# KiCad board rabbit_mask_capacitors.kicad_pcb (continued)
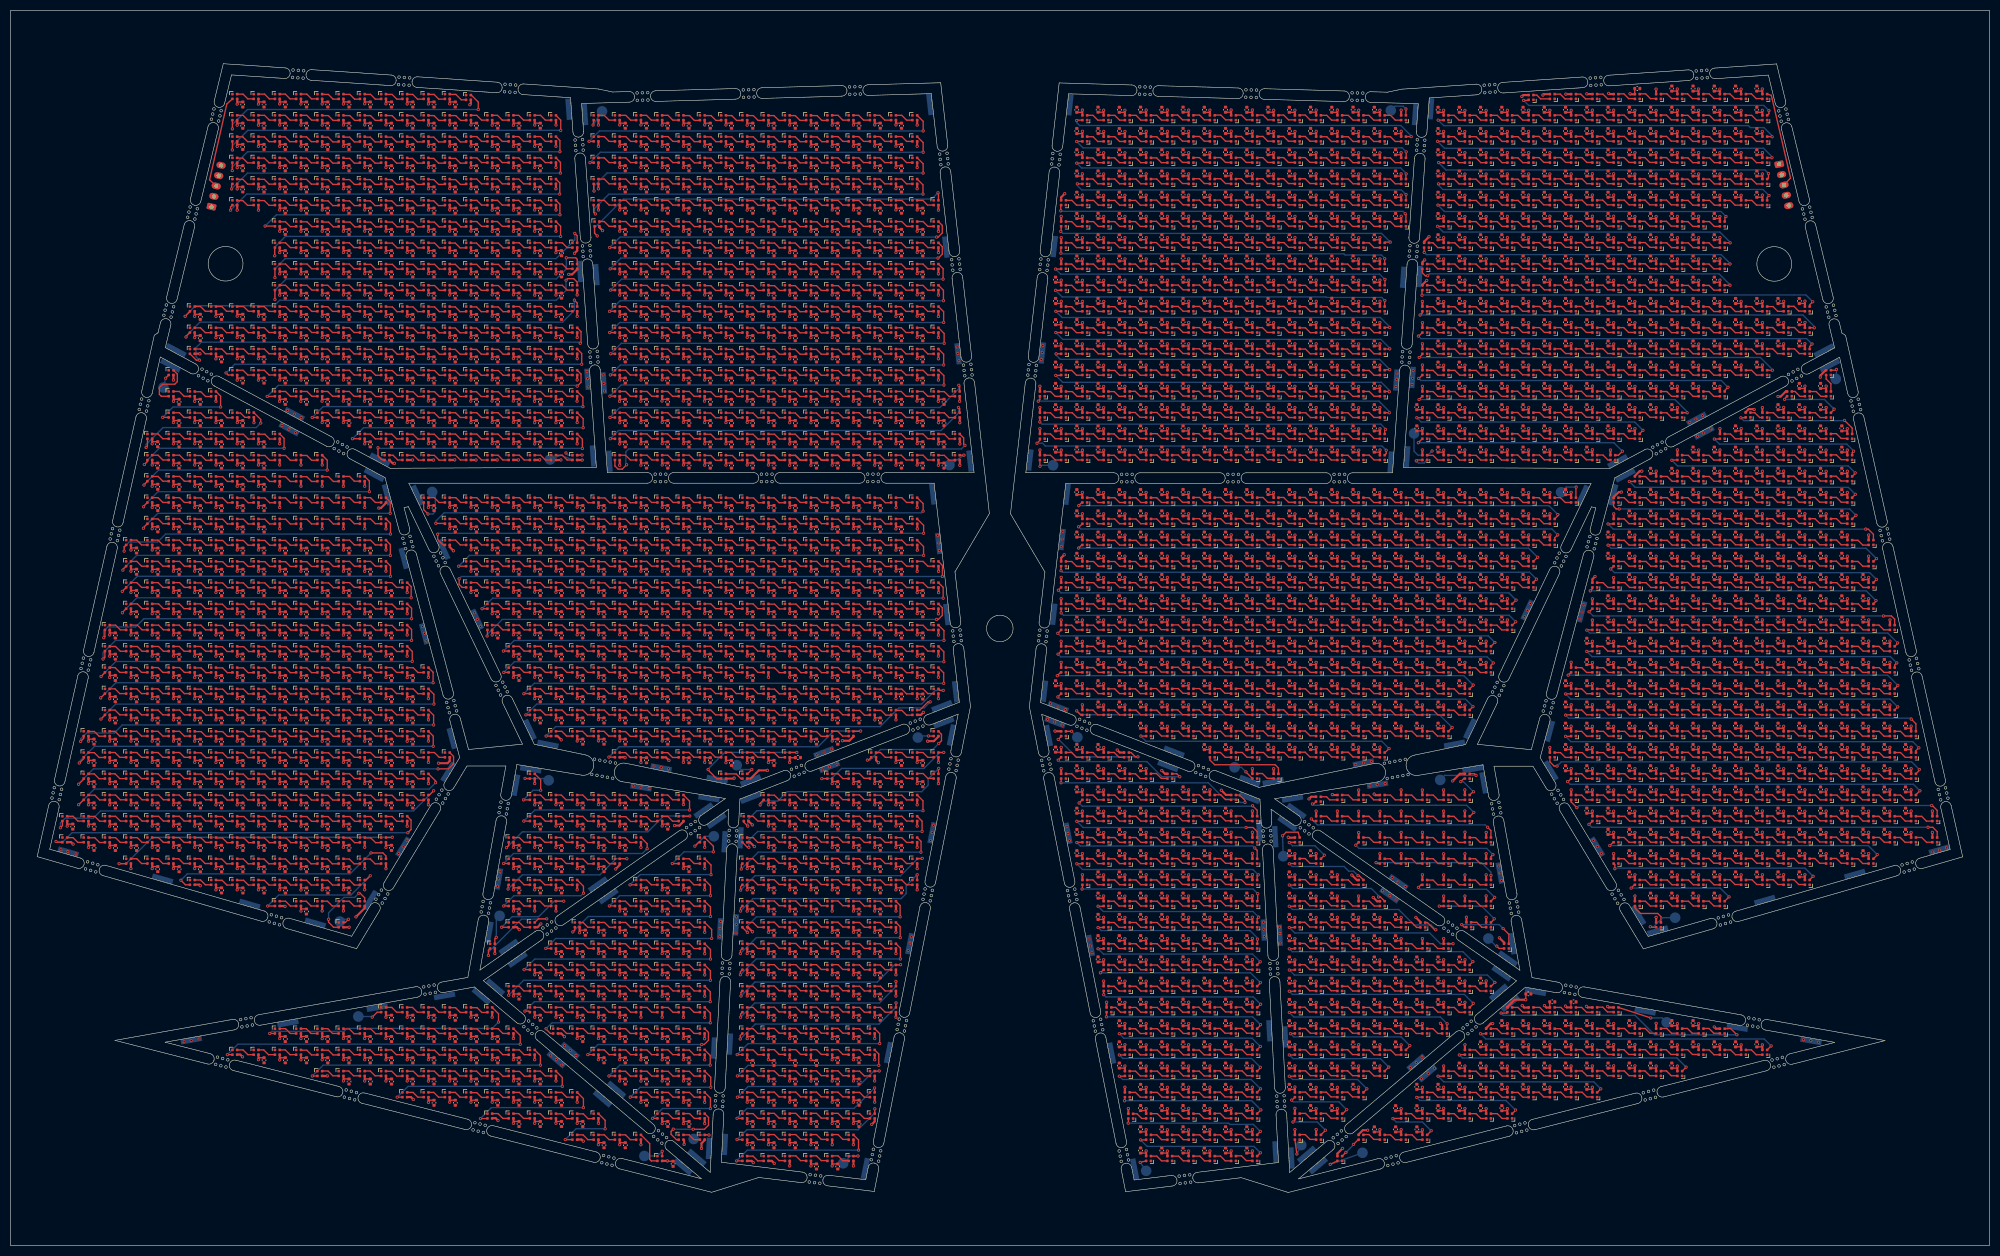
[diagram p0: board, top side]
## Nets (continued)
Net-(D2655-DIN): D2655.1 D2656.3
Net-(D2656-DIN): D2656.1 D2657.3
Net-(D2657-DIN): D2657.1 D2658.3
Net-(D2658-DIN): D2658.1 D2659.3
Net-(D2659-DIN): D2659.1 D2660.3
Net-(D2660-DIN): D2660.1 D2661.3
Net-(D2661-DIN): D2661.1 D2662.3
Net-(D2662-DIN): D2662.1 D2663.3
Net-(D2663-DIN): D2663.1 D2664.3
Net-(D2665-DIN): D2665.1 D2666.3
Net-(D2665-DOUT): D2665.3 D2703.1
Net-(D2666-DIN): D2666.1 D2667.3
Net-(D2667-DIN): D2667.1 D2668.3
Net-(D2668-DIN): D2668.1 D2669.3
Net-(D2669-DIN): D2669.1 D2670.3
Net-(D2670-DIN): D2670.1 D2671.3
Net-(D2671-DIN): D2671.1 D2672.3
Net-(D2672-DIN): D2672.1 D2673.3
Net-(D2674-DIN): D2674.1 D2675.3
Net-(D2674-DOUT): D2674.3 D2707.1
Net-(D2676-DIN): D2676.1 D2677.3
Net-(D2676-DOUT): D2676.3 D2711.1
Net-(D2677-DIN): D2677.1 D2678.3
Net-(D2678-DIN): D2678.1 D2679.3
Net-(D2679-DIN): D2679.1 D2680.3
Net-(D2680-DIN): D2680.1 D2681.3
Net-(D2682-DIN): D2682.1 D2683.3
Net-(D2682-DOUT): D2682.3 D2720.1
Net-(D2683-DIN): D2683.1 D2684.3
Net-(D2684-DIN): D2684.1 D2685.3
Net-(D2685-DIN): D2685.1 D2686.3
Net-(D2686-DIN): D2686.1 D2687.3
Net-(D2687-DIN): D2687.1 D2688.3
Net-(D2688-DIN): D2688.1 D2689.3
Net-(D2689-DIN): D2689.1 D2690.3
Net-(D2690-DIN): D2690.1 D2691.3
Net-(D2691-DIN): D2691.1 D2692.3
Net-(D2692-DIN): D2692.1 D2693.3
Net-(D2693-DIN): D2693.1 D2694.3
Net-(D2695-DIN): D2695.1 D2696.3
Net-(D2695-DOUT): D2695.3 D2728.1
Net-(D2696-DIN): D2696.1 D2697.3
Net-(D2697-DIN): D2697.1 D2698.3
Net-(D2698-DIN): D2698.1 D2699.3
Net-(D2699-DIN): D2699.1 D2700.3
Net-(D2700-DIN): D2700.1 D2701.3
Net-(D2701-DIN): D2701.1 D2702.3
Net-(D2702-DIN): D2702.1 D2703.3
Net-(D2704-DIN): D2704.1 D2705.3
Net-(D2704-DOUT): D2704.3 D2733.1
Net-(D2705-DIN): D2705.1 D2706.3
Net-(D2706-DIN): D2706.1 D2707.3
Net-(D2708-DIN): D2708.1 D2709.3
Net-(D2708-DOUT): D2708.3 D2736.1
Net-(D2709-DIN): D2709.1 D2710.3
Net-(D2710-DIN): D2710.1 D2711.3
Net-(D2712-DIN): D2712.1 D2713.3
Net-(D2712-DOUT): D2712.3 D2741.1
Net-(D2713-DIN): D2713.1 D2714.3
Net-(D2714-DIN): D2714.1 D2715.3
Net-(D2715-DIN): D2715.1 D2716.3
Net-(D2716-DIN): D2716.1 D2717.3
Net-(D2717-DIN): D2717.1 D2718.3
Net-(D2718-DIN): D2718.1 D2719.3
Net-(D2719-DIN): D2719.1 D2720.3
Net-(D2721-DIN): D2721.1 D2722.3
Net-(D2721-DOUT): D2721.3 D2749.1
Net-(D2722-DIN): D2722.1 D2723.3
Net-(D2723-DIN): D2723.1 D2724.3
Net-(D2724-DIN): D2724.1 D2725.3
Net-(D2725-DIN): D2725.1 D2726.3
Net-(D2726-DIN): D2726.1 D2727.3
Net-(D2727-DIN): D2727.1 D2728.3
Net-(D2729-DIN): D2729.1 D2730.3
Net-(D2729-DOUT): D2729.3 D2756.1
Net-(D2730-DIN): D2730.1 D2731.3
Net-(D2731-DIN): D2731.1 D2732.3
Net-(D2732-DIN): D2732.1 D2733.3
Net-(D2734-DIN): D2734.1 D2735.3
Net-(D2734-DOUT): D2734.3 D2758.1
Net-(D2735-DIN): D2735.1 D2736.3
Net-(D2737-DIN): D2737.1 D2738.3
Net-(D2737-DOUT): D2737.3 D2759.1
Net-(D2738-DIN): D2738.1 D2739.3
Net-(D2739-DIN): D2739.1 D2740.3
Net-(D2740-DIN): D2740.1 D2741.3
Net-(D2742-DIN): D2742.1 D2743.3
Net-(D2742-DOUT): D2742.3 D2767.1
Net-(D2743-DIN): D2743.1 D2744.3
Net-(D2744-DIN): D2744.1 D2745.3
Net-(D2745-DIN): D2745.1 D2746.3
Net-(D2746-DIN): D2746.1 D2747.3
Net-(D2747-DIN): D2747.1 D2748.3
Net-(D2748-DIN): D2748.1 D2749.3
Net-(D2750-DIN): D2750.1 D2751.3
Net-(D2750-DOUT): D2750.3 D2775.1
Net-(D2751-DIN): D2751.1 D2752.3
Net-(D2752-DIN): D2752.1 D2753.3
Net-(D2753-DIN): D2753.1 D2754.3
Net-(D2754-DIN): D2754.1 D2755.3
Net-(D2755-DIN): D2755.1 D2756.3
Net-(D2757-DIN): D2757.1 D2758.3
Net-(D2757-DOUT): D2757.3 D2776.1
Net-(D2760-DIN): D2760.1 D2761.3
Net-(D2760-DOUT): D2760.3 D2784.1
Net-(D2761-DIN): D2761.1 D2762.3
Net-(D2762-DIN): D2762.1 D2763.3
Net-(D2763-DIN): D2763.1 D2764.3
Net-(D2764-DIN): D2764.1 D2765.3
Net-(D2765-DIN): D2765.1 D2766.3
Net-(D2766-DIN): D2766.1 D2767.3
Net-(D2768-DIN): D2768.1 D2769.3
Net-(D2768-DOUT): D2768.3 D2793.1
Net-(D2769-DIN): D2769.1 D2770.3
Net-(D2770-DIN): D2770.1 D2771.3
Net-(D2771-DIN): D2771.1 D2772.3
Net-(D2772-DIN): D2772.1 D2773.3
Net-(D2773-DIN): D2773.1 D2774.3
Net-(D2774-DIN): D2774.1 D2775.3
Net-(D2777-DIN): D2777.1 D2778.3
Net-(D2777-DOUT): D2777.3 D2801.1
Net-(D2778-DIN): D2778.1 D2779.3
Net-(D2779-DIN): D2779.1 D2780.3
Net-(D2780-DIN): D2780.1 D2781.3
Net-(D2781-DIN): D2781.1 D2782.3
Net-(D2782-DIN): D2782.1 D2783.3
Net-(D2783-DIN): D2783.1 D2784.3
Net-(D2785-DIN): D2785.1 D2786.3
Net-(D2785-DOUT): D2785.3 D2811.1
Net-(D2786-DIN): D2786.1 D2787.3
Net-(D2787-DIN): D2787.1 D2788.3
Net-(D2788-DIN): D2788.1 D2789.3
Net-(D2789-DIN): D2789.1 D2790.3
Net-(D2790-DIN): D2790.1 D2791.3
Net-(D2791-DIN): D2791.1 D2792.3
Net-(D2792-DIN): D2792.1 D2793.3
Net-(D2794-DIN): D2794.1 D2795.3
Net-(D2794-DOUT): D2794.3 D2819.1
Net-(D2795-DIN): D2795.1 D2796.3
Net-(D2796-DIN): D2796.1 D2797.3
Net-(D2797-DIN): D2797.1 D2798.3
Net-(D2798-DIN): D2798.1 D2799.3
Net-(D2799-DIN): D2799.1 D2800.3
Net-(D2800-DIN): D2800.1 D2801.3
Net-(D2802-DIN): D2802.1 D2803.3
Net-(D2802-DOUT): D2802.3 D2828.1
Net-(D2803-DIN): D2803.1 D2804.3
Net-(D2804-DIN): D2804.1 D2805.3
Net-(D2805-DIN): D2805.1 D2806.3
Net-(D2806-DIN): D2806.1 D2807.3
Net-(D2807-DIN): D2807.1 D2808.3
Net-(D2808-DIN): D2808.1 D2809.3
Net-(D2809-DIN): D2809.1 D2810.3
Net-(D2810-DIN): D2810.1 D2811.3
Net-(D2812-DIN): D2812.1 D2813.3
Net-(D2812-DOUT): D2812.3 D2841.1
Net-(D2813-DIN): D2813.1 D2814.3
Net-(D2814-DIN): D2814.1 D2815.3
Net-(D2815-DIN): D2815.1 D2816.3
Net-(D2816-DIN): D2816.1 D2817.3
Net-(D2817-DIN): D2817.1 D2818.3
Net-(D2818-DIN): D2818.1 D2819.3
Net-(D2820-DIN): D2820.1 D2821.3
Net-(D2820-DOUT): D2820.3 D2849.1
Net-(D2821-DIN): D2821.1 D2822.3
Net-(D2822-DIN): D2822.1 D2823.3
Net-(D2823-DIN): D2823.1 D2824.3
Net-(D2824-DIN): D2824.1 D2825.3
Net-(D2825-DIN): D2825.1 D2826.3
Net-(D2826-DIN): D2826.1 D2827.3
Net-(D2827-DIN): D2827.1 D2828.3
Net-(D2829-DIN): D2829.1 D2830.3
Net-(D2829-DOUT): D2829.3 D2861.1
Net-(D2830-DIN): D2830.1 D2831.3
Net-(D2831-DIN): D2831.1 D2832.3
Net-(D2832-DIN): D2832.1 D2833.3
Net-(D2833-DIN): D2833.1 D2834.3
Net-(D2835-DIN): D2835.1 D2836.3
Net-(D2835-DOUT): D2835.3 D2868.1
Net-(D2836-DIN): D2836.1 D2837.3
Net-(D2837-DIN): D2837.1 D2838.3
Net-(D2838-DIN): D2838.1 D2839.3
Net-(D2839-DIN): D2839.1 D2840.3
Net-(D2840-DIN): D2840.1 D2841.3
Net-(D2842-DIN): D2842.1 D2843.3
Net-(D2842-DOUT): D2842.3 D2874.1
Net-(D2843-DIN): D2843.1 D2844.3
Net-(D2844-DIN): D2844.1 D2845.3
Net-(D2845-DIN): D2845.1 D2846.3
Net-(D2846-DIN): D2846.1 D2847.3
Net-(D2847-DIN): D2847.1 D2848.3
Net-(D2848-DIN): D2848.1 D2849.3
Net-(D2850-DIN): D2850.1 D2851.3
Net-(D2850-DOUT): D2850.3 D2889.1
Net-(D2851-DIN): D2851.1 D2852.3
Net-(D2852-DIN): D2852.1 D2853.3
Net-(D2853-DIN): D2853.1 D2854.3
Net-(D2854-DIN): D2854.1 D2855.3
Net-(D2855-DIN): D2855.1 D2856.3
Net-(D2856-DIN): D2856.1 D2857.3
Net-(D2857-DIN): D2857.1 D2858.3
Net-(D2858-DIN): D2858.1 D2859.3
Net-(D2859-DIN): D2859.1 D2860.3
Net-(D2860-DIN): D2860.1 D2861.3
Net-(D2862-DIN): D2862.1 D2863.3
Net-(D2862-DOUT): D2862.3 D2896.1
Net-(D2863-DIN): D2863.1 D2864.3
Net-(D2864-DIN): D2864.1 D2865.3
Net-(D2865-DIN): D2865.1 D2866.3
Net-(D2866-DIN): D2866.1 D2867.3
Net-(D2867-DIN): D2867.1 D2868.3
Net-(D2869-DIN): D2869.1 D2870.3
Net-(D2869-DOUT): D2869.3 D2901.1
Net-(D2870-DIN): D2870.1 D2871.3
Net-(D2871-DIN): D2871.1 D2872.3
Net-(D2872-DIN): D2872.1 D2873.3
Net-(D2873-DIN): D2873.1 D2874.3
Net-(D2875-DIN): D2875.1 D2876.3
Net-(D2875-DOUT): D2875.3 D2913.1
Net-(D2876-DIN): D2876.1 D2877.3
Net-(D2877-DIN): D2877.1 D2878.3
Net-(D2878-DIN): D2878.1 D2879.3
Net-(D2879-DIN): D2879.1 D2880.3
Net-(D2880-DIN): D2880.1 D2881.3
Net-(D2881-DIN): D2881.1 D2882.3
Net-(D2882-DIN): D2882.1 D2883.3
Net-(D2883-DIN): D2883.1 D2884.3
Net-(D2884-DIN): D2884.1 D2885.3
Net-(D2885-DIN): D2885.1 D2886.3
Net-(D2886-DIN): D2886.1 D2887.3
Net-(D2887-DIN): D2887.1 D2888.3
Net-(D2888-DIN): D2888.1 D2889.3
Net-(D2890-DIN): D2890.1 D2891.3
Net-(D2890-DOUT): D2890.3 D2920.1
Net-(D2891-DIN): D2891.1 D2892.3
Net-(D2892-DIN): D2892.1 D2893.3
Net-(D2893-DIN): D2893.1 D2894.3
Net-(D2894-DIN): D2894.1 D2895.3
Net-(D2895-DIN): D2895.1 D2896.3
Net-(D2897-DIN): D2897.1 D2898.3
Net-(D2897-DOUT): D2897.3 D2924.1
Net-(D2898-DIN): D2898.1 D2899.3
Net-(D2899-DIN): D2899.1 D2900.3
Net-(D2900-DIN): D2900.1 D2901.3
Net-(D2902-DIN): D2902.1 D2903.3
Net-(D2902-DOUT): D2902.3 D2933.1
Net-(D2903-DIN): D2903.1 D2904.3
Net-(D2904-DIN): D2904.1 D2905.3
Net-(D2905-DIN): D2905.1 D2906.3
Net-(D2906-DIN): D2906.1 D2907.3
Net-(D2907-DIN): D2907.1 D2908.3
Net-(D2908-DIN): D2908.1 D2909.3
Net-(D2909-DIN): D2909.1 D2910.3
Net-(D2910-DIN): D2910.1 D2911.3
Net-(D2911-DIN): D2911.1 D2912.3
Net-(D2912-DIN): D2912.1 D2913.3
Net-(D2914-DIN): D2914.1 D2915.3
Net-(D2914-DOUT): D2914.3 D2940.1
Net-(D2915-DIN): D2915.1 D2916.3
Net-(D2916-DIN): D2916.1 D2917.3
Net-(D2917-DIN): D2917.1 D2918.3
Net-(D2918-DIN): D2918.1 D2919.3
Net-(D2919-DIN): D2919.1 D2920.3
Net-(D2921-DIN): D2921.1 D2922.3
Net-(D2921-DOUT): D2921.3 D2943.1
Net-(D2922-DIN): D2922.1 D2923.3
Net-(D2923-DIN): D2923.1 D2924.3
Net-(D2925-DIN): D2925.1 D2926.3
Net-(D2925-DOUT): D2925.3 D2949.1
Net-(D2926-DIN): D2926.1 D2927.3
Net-(D2927-DIN): D2927.1 D2928.3
Net-(D2928-DIN): D2928.1 D2929.3
Net-(D2929-DIN): D2929.1 D2930.3
Net-(D2930-DIN): D2930.1 D2931.3
Net-(D2931-DIN): D2931.1 D2932.3
Net-(D2932-DIN): D2932.1 D2933.3
Net-(D2934-DIN): D2934.1 D2935.3
Net-(D2934-DOUT): D2934.3 D2955.1
Net-(D2935-DIN): D2935.1 D2936.3
Net-(D2936-DIN): D2936.1 D2937.3
Net-(D2937-DIN): D2937.1 D2938.3
Net-(D2938-DIN): D2938.1 D2939.3
Net-(D2939-DIN): D2939.1 D2940.3
Net-(D2941-DIN): D2941.1 D2942.3
Net-(D2941-DOUT): D2941.3 D2957.1
Net-(D2942-DIN): D2942.1 D2943.3
Net-(D2944-DIN): D2944.1 D2945.3
Net-(D2944-DOUT): D2944.3 D2961.1
Net-(D2945-DIN): D2945.1 D2946.3
Net-(D2946-DIN): D2946.1 D2947.3
Net-(D2947-DIN): D2947.1 D2948.3
Net-(D2948-DIN): D2948.1 D2949.3
Net-(D2950-DIN): D2950.1 D2951.3
Net-(D2950-DOUT): D2950.3 D2967.1
Net-(D2951-DIN): D2951.1 D2952.3
Net-(D2952-DIN): D2952.1 D2953.3
Net-(D2953-DIN): D2953.1 D2954.3
Net-(D2954-DIN): D2954.1 D2955.3
Net-(D2956-DIN): D2956.1 D2957.3
Net-(D2958-DIN): D2958.1 D2959.3
Net-(D2958-DOUT): D2958.3 D2968.1
Net-(D2959-DIN): D2959.1 D2960.3
Net-(D2960-DIN): D2960.1 D2961.3
Net-(D2962-DIN): D2962.1 D2963.3
Net-(D2963-DIN): D2963.1 D2964.3
Net-(D2964-DIN): D2964.1 D2965.3
Net-(D2965-DIN): D2965.1 D2966.3
Net-(D2966-DIN): D2966.1 D2967.3

## Via types
v1: diameter 0.6, hole 0.3, Top to Bottom, 3602 vias

## Routing (per net, layer and track width the routed paths; a pad name or vN(x,y) marks a point on that pad's centre or on a via; arc(x,y) is an arc through that point)
GND: length 2.7
  Bottom w0.25: v1(104.52,149.24) 104.95,148.81 D565.4 ; v1(267.57,149.61) 266.77,148.81 D1625.4
  vias: v1(9.47,74.51) v1(10.78,74.16) v1(12.3,73.74) v1(32.65,38.36) v1(34,38.59) v1(35.47,38.86) v1(51.08,154.41) v1(52.12,157.24) v1(52.38,153.71) v1(53.4,156.54) v1(53.62,153.06) v1(54.7,155.89) v1(73.05,73.81) v1(73.9,75.06) v1(74.6,76.31) v1(77.53,116.54) v1(77.9,115.26) v1(78.23,113.86) v1(87.3,119.11) v1(87.85,117.89) v1(88.42,116.59) v1(91.62,67.64) v1(91.88,69.04) v1(92.12,70.36) v1(101.65,35.84) v1(102.73,34.99) v1(103.75,33.96) v1(104.27,37.61) v1(105.35,36.71) v1(106.42,35.76) v1(108.5,164.59) v1(108.63,163.21) v1(108.73,161.69) v1(111.55,163.94) v1(111.65,162.31) v1(111.77,160.91) v1(117.2,86.54) v1(118.65,86.29) v1(120.17,86.09) v1(121.13,90.26) v1(122.48,90.04) v1(123.83,89.76) v1(133.55,59.71) v1(133.5,58.21) v1(133.65,61.01) v1(136.52,58.84) v1(136.62,61.89) v1(136.6,60.44) v1(151.75,92.39) v1(152.77,89.54) v1(153.1,92.91) v1(154.15,90.11) v1(154.55,93.46) v1(155.55,90.61) v1(168.97,55.54) v1(169.3,56.91) v1(169.55,58.11) v1(173.17,76.26) v1(173.47,77.79) v1(173.72,79.11) v1(174.5,133.71) v1(174.7,132.29) v1(174.82,130.84) v1(178.17,169.21) v1(178.3,167.94) v1(178.5,166.61) v1(194,166.81) v1(194.17,168.16) v1(194.3,169.44) v1(195.2,99.06) v1(195.77,101.99) v1(196.52,98.56) v1(197.15,101.41) v1(197.75,131.6) v1(197.95,133.04) v1(197.95,97.99) v1(198.08,134.47) v1(198.52,100.89) v1(198.85,78.91) v1(199.02,77.56) v1(199.3,76.21) v1(203,57.69) v1(203.25,56.39) v1(203.55,55.11) v1(235.88,60.86) v1(235.9,59.54) v1(236,58.16) v1(238.85,59.94) v1(238.93,58.74) v1(238.97,56.96) v1(253.22,90.56) v1(254.62,90.84) v1(255.9,86.54) v1(256.15,91.14) v1(257.25,86.76) v1(258.27,66.79) v1(258.75,86.99) v1(259.62,65.86) v1(260.07,69.29) v1(260.77,161.74) v1(260.8,65.04) v1(260.93,163.11) v1(260.95,164.31) v1(261.18,68.41) v1(262.52,67.56) v1(263.47,33.49) v1(263.8,162.14) v1(263.9,163.29) v1(264,164.74) v1(264.62,34.44) v1(265.57,31.39) v1(265.68,35.44) v1(266.85,32.41) v1(268,33.36) v1(280.12,71.44) v1(280.4,70.14) v1(280.65,68.71) v1(284.93,118.39) v1(285.5,119.61) v1(286.05,120.89) v1(295.4,117.96) v1(295.77,119.29) v1(296.15,120.64) v1(297.95,76.29) v1(298.68,75.09) v1(299.45,73.81) v1(316.1,154.99) v1(317.22,155.61) v1(317.55,152.36) v1(318.47,156.26) v1(318.62,152.99) v1(320.05,153.76) v1(337.47,38.74) v1(338.85,38.56) v1(340.27,38.26) v1(361.82,74.09) v1(363.07,74.46) v1(364.43,74.86)
VCC: length 5503.9
  Top w0.25: C1485#1420.1 102.72,187.34 ; C1485#378.1 46.74,139.32 ; C1485#834.1 337.68,177.38 ; C1485#2068.1 257.68,53.36 ; C1485#1766.1 245.68,117.38 ; C1485#2362.1 126.72,203.34 ; C1485#1837.1 114.72,187.34 ; C1485#2436.1 150.72,34.84 ; C1485#1889.1 325.68,109.38 ; C1485#276.1 297.68,213.38 ; C1485#1794.1 58.72,199.34 ; C1485#2439.1 309.68,93.38 ; C1485#1493.1 297.68,41.38 ; C1485#2381.1 114.72,31.34 ; C1485#964.1 58.72,175.32 ; C1485#1042.1 221.68,197.4 ; C1485#1228.1 146.72,19.34 ; C1485#1011.1 146.72,43.34 ; C1485#490.1 325.68,177.38 ; C1485#1054.1 305.68,41.38 ; C1485#1210.1 134.72,111.34 ; C1485#41.1 301.68,97.38 ; C1485#1122.1 321.68,173.38 ; C1485#1250.1 281.68,125.38 ; C1485#2107.1 114.72,155.34 ; C1485#451.1 221.68,141.4 ; C1485#1383.1 74.72,151.34 ; C1485#1812.1 325.68,217.38 ; C1485#730.1 205.68,157.38 ; C1485#1737.1 94.72,131.34 ; C1485#1679.1 305.68,141.38 ; C1485#2499.1 265.68,41.38 ; C1485#2611.1 78.72,215.34 ; C1485#1861.1 86.72,131.34 ; C1485#1276.1 245.68,45.36 ; C1485#2246.1 233.68,33.38 ; C1485#1718.1 134.72,179.34 ; C1485#2533.1 34.74,143.32 ; C1485#1954.1 289.68,161.38 ; C1485#2198.1 209.68,213.38 ; C1485#2072.1 82.72,171.34 ; C1485#385.1 98.72,123.34 ; C1485#2553.1 90.72,27.34 ; C1485#487.1 74.72,179.32 ; C1485#700.1 233.68,45.38 ; C1485#1129.1 329.68,177.38 ; C1485#649.1 122.72,111.34 ; C1485#1666.1 213.68,65.38 ; C1485#2110.1 209.68,149.4 ; C1485#115.1 209.68,49.38 ; C1485#452.1 66.72,199.34 ; C1485#1403.1 269.68,161.38 ; C1485#645.1 42.74,91.32 ; C1485#932.1 50.74,131.32 ; C1485#173.1 142.72,39.34 ; C1485#2470.1 313.68,201.38 ; C1485#97.1 329.68,89.38 ; C1485#2621.1 18.74,95.32 ; C1485#2187.1 154.72,195.34 ; C1485#53.1 233.68,29.36 ; C1485#2370.1 114.72,75.34 ; C1485#592.1 90.72,179.32 ; C1485#2240.1 273.68,213.38 ; C1485#2180.1 38.72,67.34 ; C1485#1253.1 102.72,23.34 ; C1485#1219.1 46.74,75.32 ; C1485#2066.1 98.72,79.34 ; C1485#940.1 253.68,149.38 ; C1485#745.1 54.72,171.34 ; C1485#1653.1 142.72,19.34 ; C1485#864.1 98.72,107.34 ; C1485#1656.1 297.68,205.38 ; C1485#102.1 269.68,205.38 ; C1485#404.1 349.68,121.38 ; C1485#1913.1 341.68,101.38 ; C1485#998.1 217.68,61.38 ; C1485#1373.1 285.68,133.38 ; C1485#167.1 261.68,129.38 ; C1485#911.1 241.68,37.36 ; C1485#2530.1 142.72,27.34 ; C1485#72.1 118.72,139.34 ; C1485#542.1 58.72,215.34 ; C1485#2000.1 317.68,197.38 ; C1485#2368.1 281.68,213.38 ; C1485#953.1 86.72,175.32 ; C1485#1802.1 253.68,33.38 ; C1485#2295.1 225.68,149.4 ; C1485#259.1 285.68,125.38 ; C1485#1841.1 162.72,131.34 ; C1485#486.1 22.74,99.32 ; C1485#414.1 213.69,77.36 ; C1485#459.1 285.68,189.38 ; C1485#1919.1 94.72,175.34 ; C1485#1744.1 209.68,165.4 ; C1485#359.1 305.68,177.38 ; C1485#1557.1 34.72,147.32 ; C1485#1077.1 122.72,207.34 ; C1485#2120.1 102.72,99.34 ; C1485#234.1 313.68,145.38 ; C1485#1367.1 38.74,103.32 ; C1485#1514.1 170.72,171.32 ; C1485#343.1 126.72,195.34 ; C1485#2077.1 82.72,135.34 ; C1485#247.1 321.68,73.38 ; C1485#1643.1 122.72,47.34 ; C1485#1781.1 78.72,183.34 ; C1485#695.1 321.68,137.38 ; C1485#354.1 217.68,177.4 ; C1485#2571.1 253.68,93.36 ; C1485#972.1 150.72,191.34 ; C1485#1258.1 70.72,207.34 ; C1485#1853.1 277.68,137.38 ; C1485#2421.1 102.72,47.34 ; C1485#192.1 146.72,183.34 ; C1485#250.1 118.7,35.36 ; C1485#2039.1 90.72,123.34 ; C1485#1406.1 142.72,71.34 ; C1485#2438.1 241.68,113.38 ; C1485#1252.1 245.68,105.38 ; C1485#54.1 221.68,29.36 ; C1485#201.1 166.72,115.34 ; C1485#1807.1 217.68,81.38 ; C1485#1682.1 317.68,217.38 ; C1485#854.1 321.68,141.38 ; C1485#1437.1 281.68,189.38 ; C1485#906.1 285.68,201.38 ; C1485#512.1 245.68,93.36 ; C1485#1350.1 162.72,203.34 ; C1485#1899.1 86.72,183.34 ; C1485#947.1 122.72,39.34 ; C1485#1303.1 269.68,169.38 ; C1485#1576.1 229.68,169.38 ; C1485#1321.1 329.68,77.38 ; C1485#1130.1 58.74,123.32 ; C1485#2449.1 90.72,171.34 ; C1485#409.1 98.74,75.32 ; C1485#236.1 138.72,27.34 ; C1485#1098.1 237.68,149.38 ; C1485#399.1 154.72,139.34 ; C1485#1111.1 110.72,115.34 ; C1485#897.1 297.68,189.38 ; C1485#2388.1 46.72,215.34 ; C1485#2492.1 329.68,133.38 ; C1485#1083.1 257.68,49.36 ; C1485#595.1 158.72,43.34 ; C1485#515.1 205.68,173.38 ; C1485#727.1 114.72,195.34 ; C1485#2296.1 345.68,89.38 ; C1485#1140.1 197.68,149.38 ; C1485#715.1 257.68,205.38 ; C1485#2300.1 213.68,97.38 ; C1485#2232.1 98.72,131.34 ; C1485#2609.1 205.68,141.4 ; C1485#1127.1 333.68,141.38 ; C1485#970.1 313.68,93.38 ; C1485#572.1 74.72,203.34 ; C1485#1765.1 62.72,75.34 ; C1485#1397.1 46.72,163.34 ; C1485#113.1 229.68,137.38 ; C1485#1075.1 325.68,205.38 ; C1485#2171.1 301.68,153.38 ; C1485#1235.1 269.68,117.38 ; C1485#1731.1 325.68,113.38 ; C1485#155.1 78.72,207.34 ; C1485#1059.1 313.68,89.38 ; C1485#2350.1 309.68,65.38 ; C1485#1935.1 209.68,205.38 ; C1485#1227.1 241.68,137.38 ; C1485#2413.1 325.68,197.38 ; C1485#1986.1 209.68,57.38 ; C1485#462.1 54.74,103.32 ; C1485#2054.1 158.72,75.34 ; C1485#606.1 245.68,73.38 ; C1485#2382.1 285.68,185.38 ; C1485#1136.1 305.68,37.38 ; C1485#2448.1 22.74,103.32 ; C1485#501.1 38.74,123.32 ; C1485#381.1 154.72,203.34 ; C1485#1581.1 154.72,35.34 ; C1485#48.1 66.72,159.34 ; C1485#2566.1 277.68,149.38 ; C1485#1943.1 166.72,175.34 ; C1485#1684.1 66.72,179.32 ; C1485#1066.1 225.68,169.4 ; C1485#1546.1 118.72,159.34 ; C1485#1448.1 154.72,95.34 ; C1485#1196.1 213.68,69.38 ; C1485#763.1 333.68,113.38 ; C1485#253.1 70.72,151.34 ; C1485#1936.1 114.72,55.34 ; C1485#484.1 98.72,151.34 ; C1485#1753.1 325.68,89.38 ; C1485#729.1 281.68,181.38 ; C1485#979.1 54.72,39.34 ; C1485#297.1 154.72,183.34 ; C1485#2548.1 42.74,75.32 ; C1485#1777.1 209.68,153.4 ; C1485#2532.1 126.72,119.34 ; C1485#1955.1 122.72,187.34 ; C1485#1163.1 329.68,69.38 ; C1485#1198.1 50.72,199.34 ; C1485#1261.1 305.68,205.38 ; C1485#1065.1 317.68,165.38 ; C1485#2625.1 329.68,141.38 ; C1485#1566.1 337.68,105.38 ; C1485#119.1 313.68,41.38 ; C1485#961.1 273.68,117.38 ; C1485#2298.1 341.68,73.38 ; C1485#265.1 277.68,165.38 ; C1485#2025.1 158.72,127.34 ; C1485#529.1 134.72,119.34 ; C1485#1499.1 201.68,89.38 ; C1485#1497.1 138.72,191.34 ; C1485#692.1 14.72,75.34 ; C1485#2082.1 34.74,115.32 ; C1485#2522.1 62.72,91.34 ; C1485#1357.1 201.68,209.38 ; C1485#2397.1 217.68,197.38 ; C1485#1048.1 70.72,159.34 ; C1485#312.1 337.68,113.38 ; C1485#1197.1 26.74,127.32 ; C1485#2265.1 38.74,111.32 ; C1485#1556.1 158.72,35.34 ; C1485#541.1 122.72,123.34 ; C1485#2184.1 337.68,149.38 ; C1485#2339.1 106.74,79.32 ; C1485#1032.1 293.68,33.38 ; C1485#177.1 333.68,145.38 ; C1485#164.1 50.74,91.32 ; C1485#2617.1 345.68,101.38 ; C1485#989.1 106.74,75.32 ; C1485#90.1 94.72,159.34 ; C1485#1299.1 201.68,181.4 ; C1485#720.1 337.68,81.38 ; C1485#1757.1 74.72,195.34 ; C1485#1775.1 217.68,205.38 ; C1485#699.1 150.72,107.34 ; C1485#2541.1 126.72,163.34 ; C1485#1725.1 353.68,85.38 ; C1485#398.1 209.68,81.38 ; C1485#91.1 174.72,147.34 ; C1485#1739.1 114.72,171.34 ; C1485#1811.1 221.68,153.38 ; C1485#2005.1 321.68,177.38 ; C1485#1006.1 225.68,137.38 ; C1485#52.1 130.72,171.34 ; C1485#302.1 94.72,191.34 ; C1485#1598.1 134.72,95.34 ; C1485#747.1 241.68,29.36 ; C1485#1145.1 102.72,27.34 ; C1485#705.1 213.68,149.38 ; C1485#195.1 150.72,199.34 ; C1485#2365.1 106.72,99.34 ; C1485#212.1 90.72,175.32 ; C1485#1829.1 229.68,45.38 ; C1485#892.1 114.72,203.34 ; C1485#2061.1 114.72,107.34 ; C1485#708.1 86.72,151.34 ; C1485#795.1 269.68,153.38 ; C1485#338.1 158.72,119.34 ; C1485#1930.1 289.72,44.88 ; C1485#1845.1 213.68,49.38 ; C1485#2423.1 138.72,47.34 ; C1485#1903.1 58.74,75.32 ; C1485#1239.1 333.68,93.38 ; C1485#170.1 289.68,133.38 ; C1485#654.1 241.68,193.38 ; C1485#785.1 297.68,177.38 ; C1485#1455.1 277.68,133.38 ; C1485#2244.1 54.72,207.34 ; C1485#1589.1 209.68,53.38 ; C1485#1548.1 90.72,163.34 ; C1485#933.1 58.74,67.32 ; C1485#2154.1 22.72,123.34 ; C1485#2358.1 233.68,113.38 ; C1485#2123.1 166.72,83.34 ; C1485#2303.1 249.68,37.36 ; C1485#1898.1 102.72,127.34 ; C1485#23.1 82.72,27.34 ; C1485#778.1 46.74,111.34 ; C1485#1662.1 142.72,83.34 ; C1485#1051.1 126.72,147.34 ; C1485#593.1 205.68,165.38 ; C1485#558.1 170.72,183.34 ; C1485#1510.1 217.68,53.38 ; C1485#1031.1 82.72,199.34 ; C1485#1131.1 98.72,31.34 ; C1485#1156.1 229.68,117.38 ; C1485#1294.1 42.72,151.34 ; C1485#728.1 126.72,31.34 ; C1485#1674.1 70.72,111.34 ; C1485#1141.1 265.69,25.36 ; C1485#272.1 142.72,34.84 ; C1485#812.1 325.68,117.38 ; C1485#1705.1 273.68,161.38 ; C1485#1189.1 70.72,155.34 ; C1485#1024.1 158.72,211.34 ; C1485#839.1 118.72,179.34 ; C1485#2065.1 78.72,195.34 ; C1485#952.1 142.72,59.34 ; C1485#1876.1 241.68,141.38 ; C1485#314.1 277.68,153.38 ; C1485#310.1 281.68,201.38 ; C1485#2557.1 281.68,161.38 ; C1485#198.1 317.68,213.38 ; C1485#1060.1 94.72,115.34 ; C1485#2151.1 138.72,159.34 ; C1485#171.1 233.68,153.4 ; C1485#842.1 162.72,63.34 ; C1485#1503.1 42.72,207.34 ; C1485#2185.1 126.72,67.34 ; C1485#1008.1 277.68,177.38 ; C1485#884.1 122.72,151.32 ; C1485#531.1 42.72,111.36 ; C1485#2137.1 50.72,175.32 ; C1485#685.1 138.72,127.34 ; C1485#1494.1 221.68,61.38 ; C1485#1862.1 42.74,71.32 ; C1485#2017.1 345.68,141.38 ; C1485#1639.1 62.72,35.34 ; C1485#1751.1 126.72,107.34 ; C1485#1346.1 138.72,155.34 ; C1485#1701.1 166.72,103.84 ; C1485#1215.1 50.74,99.32 ; C1485#1401.1 114.72,159.34 ; C1485#1549.1 249.68,29.36 ; C1485#1496.1 126.72,63.34 ; C1485#1849.1 66.72,163.34 ; C1485#403.1 213.68,197.4 ; C1485#1846.1 30.74,127.32 ; C1485#2275.1 130.72,159.34 ; C1485#2023.1 213.68,141.4 ; C1485#1649.1 66.72,207.34 ; C1485#371.1 58.72,155.34 ; C1485#1543.1 50.72,167.34 ; C1485#1973.1 122.72,23.34 ; C1485#1043.1 289.68,181.38 ; C1485#2050.1 130.72,103.34 ; C1485#1593.1 82.72,163.34 ; C1485#2057.1 122.72,55.34 ; C1485#2308.1 122.72,127.34 ; C1485#1526.1 309.68,169.38 ; C1485#1110.1 333.68,129.38 ; C1485#976.1 301.68,77.38 ; C1485#134.1 209.68,89.38 ; C1485#2418.1 265.68,137.38 ; C1485#1470.1 62.74,99.32 ; C1485#1700.1 142.72,55.34 ; C1485#826.1 225.68,177.4 ; C1485#60.1 70.72,211.34 ; C1485#261.1 293.68,165.38 ; C1485#1848.1 158.72,83.34 ; C1485#1815.1 170.72,115.34 ; C1485#1034.1 118.72,135.34 ; C1485#612.1 18.72,99.34 ; C1485#1547.1 130.72,199.34 ; C1485#681.1 130.72,95.34 ; C1485#2422.1 217.68,141.38 ; C1485#301.1 158.72,151.32 ; C1485#1296.1 337.68,125.38 ; C1485#175.1 134.72,155.34 ; C1485#2480.1 54.72,163.34 ; C1485#549.1 162.72,163.34 ; C1485#1970.1 301.68,157.38 ; C1485#2016.1 201.69,77.36 ; C1485#1551.1 62.72,83.34 ; C1485#819.1 90.72,159.34 ; C1485#2235.1 265.68,129.38 ; C1485#1660.1 277.68,209.38 ; C1485#1099.1 158.72,103.34 ; C1485#2550.1 253.68,97.38 ; C1485#93.1 126.72,151.32 ; C1485#389.1 54.72,199.34 ; C1485#1025.1 253.68,205.4 ; C1485#857.1 349.68,125.38 ; C1485#1577.1 301.68,121.38 ; C1485#2424.1 313.68,117.38 ; C1485#2148.1 66.72,99.34 ; C1485#1838.1 130.72,207.34 ; C1485#949.1 94.72,71.34 ; C1485#1062.1 217.69,77.36 ; C1485#1762.1 233.68,173.4 ; C1485#342.1 221.68,205.4 ; C1485#256.1 317.68,125.38 ; C1485#188.1 293.68,209.38 ; C1485#340.1 245.68,65.38 ; C1485#2028.1 357.68,85.38 ; C1485#544.1 305.68,157.38 ; C1485#1172.1 237.68,213.4 ; C1485#2177.1 22.74,107.32 ; C1485#1994.1 22.74,115.32 ; C1485#2425.1 273.68,185.38 ; C1485#289.1 74.72,155.34 ; C1485#2218.1 142.72,119.34 ; C1485#796.1 162.72,47.34 ; C1485#2481.1 201.68,177.4 ; C1485#1904.1 110.72,131.34 ; C1485#1771.1 170.72,159.34 ; C1485#617.1 225.68,53.38 ; C1485#345.1 221.68,81.38 ; C1485#463.1 106.72,107.34 ; C1485#313.1 305.68,81.38 ; C1485#876.1 241.68,57.36 ; C1485#1249.1 118.72,91.84 ; C1485#31.1 166.72,135.34 ; C1485#2271.1 205.68,109.38 ; C1485#670.1 50.74,87.32 ; C1485#1575.1 321.68,125.38 ; C1485#2540.1 261.68,97.38 ; C1485#983.1 201.68,141.38 ; C1485#1563.1 58.72,163.34 ; C1485#461.1 245.68,157.38 ; C1485#701.1 162.72,175.34 ; C1485#2589.1 313.68,77.38 ; C1485#2152.1 325.68,37.38 ; C1485#1376.1 257.68,213.38 ; C1485#581.1 265.68,109.38 ; C1485#874.1 70.72,87.34 ; C1485#2613.1 349.68,109.38 ; C1485#2059.1 305.68,137.38 ; C1485#1171.1 82.72,203.34 ; C1485#805.1 221.68,137.38 ; C1485#356.1 317.68,137.38 ; C1485#741.1 78.72,151.34 ; C1485#1160.1 253.68,57.36 ; C1485#553.1 150.72,31.34 ; C1485#2493.1 166.72,191.34 ; C1485#2340.1 293.68,185.38 ; C1485#355.1 245.68,161.38 ; C1485#2044.1 305.68,193.38 ; C1485#886.1 301.68,161.38 ; C1485#806.1 225.69,101.38 ; C1485#799.1 289.68,149.38 ; C1485#1910.1 213.68,85.38 ; C1485#159.1 273.69,101.38 ; C1485#330.1 102.72,115.34 ; C1485#881.1 213.68,129.38 ; C1485#1468.1 42.74,67.32 ; C1485#1325.1 50.72,171.34 ; C1485#42.1 349.68,89.38 ; C1485#1116.1 134.72,147.34 ; C1485#2051.1 337.68,69.38 ; C1485#1443.1 138.72,207.34 ; C1485#2316.1 277.68,185.38 ; C1485#2195.1 341.68,149.38 ; C1485#373.1 349.68,113.38 ; C1485#408.1 257.68,121.38 ; C1485#262.1 225.68,181.4 ; C1485#228.1 277.68,157.38 ; C1485#737.1 245.68,37.36 ; C1485#1431.1 174.72,159.34 ; C1485#183.1 46.72,147.32 ; C1485#152.1 58.74,127.34 ; C1485#1880.1 261.68,41.36 ; C1485#1874.1 138.72,91.84 ; C1485#1248.1 233.69,101.38 ; C1485#2033.1 217.68,129.38 ; C1485#1926.1 146.72,47.34 ; C1485#1283.1 213.68,113.38 ; C1485#1638.1 305.68,69.38 ; C1485#1218.1 233.68,97.38 ; C1485#1560.1 305.68,181.38 ; C1485#2011.1 237.68,109.38 ; C1485#2569.1 241.68,205.38 ; C1485#849.1 138.72,111.34 ; C1485#2056.1 329.68,205.38 ; C1485#266.1 30.74,139.32 ; C1485#1260.1 62.74,123.32 ; C1485#1233.1 58.72,203.34 ; C1485#12.1 257.69,101.38 ; C1485#2127.1 142.72,167.34 ; C1485#1105.1 98.74,67.32 ; C1485#1555.1 138.72,211.34 ; C1485#2267.1 74.72,91.34 ; C1485#438.1 134.72,187.34 ; C1485#1964.1 118.72,123.34 ; C1485#2360.1 46.72,123.34 ; C1485#1223.1 118.72,147.34 ; C1485#1184.1 321.68,121.38 ; C1485#1390.1 42.72,171.34 ; C1485#1977.1 285.68,153.38 ; C1485#161.1 325.68,137.38 ; C1485#1719.1 317.68,129.38 ; C1485#341.1 170.72,119.34 ; C1485#2160.1 273.68,45.36 ; C1485#491.1 142.72,115.34 ; C1485#498.1 66.72,171.34 ; C1485#1742.1 38.72,155.34 ; C1485#2545.1 277.68,29.38 ; C1485#367.1 309.68,145.38 ; C1485#1257.1 233.68,149.4 ; C1485#614.1 273.68,201.38 ; C1485#1900.1 309.68,89.38 ; C1485#420.1 205.68,193.4 ; C1485#1940.1 221.68,117.38 ; C1485#1438.1 146.72,191.34 ; C1485#2348.1 237.68,157.38 ; C1485#2206.1 249.68,41.36 ; C1485#1512.1 94.72,155.34 ; C1485#698.1 62.72,163.34 ; C1485#1436.1 317.68,185.38 ; C1485#1335.1 158.72,71.34 ; C1485#1788.1 329.68,137.38 ; C1485#1678.1 221.68,213.4 ; C1485#2606.1 229.68,49.38 ; C1485#2412.1 221.68,69.38 ; C1485#2549.1 158.72,187.34 ; C1485#580.1 118.72,127.34 ; C1485#2243.1 237.68,121.38 ; C1485#493.1 66.72,87.34 ; C1485#2169.1 221.68,45.38 ; C1485#2090.1 265.68,133.38 ; C1485#2376.1 345.68,137.38 ; C1485#2272.1 150.72,207.34 ; C1485#2402.1 301.68,201.38 ; C1485#224.1 46.74,143.32 ; C1485#850.1 158.72,31.34 ; C1485#1610.1 217.68,49.38 ; C1485#1791.1 106.72,43.34 ; C1485#567.1 337.68,141.38 ; C1485#2526.1 329.68,201.38 ; C1485#260.1 134.72,159.34 ; C1485#180.1 237.69,101.38 ; C1485#802.1 345.68,149.38 ; C1485#292.1 126.72,167.34 ; C1485#2608.1 102.72,183.34 ; C1485#2583.1 213.68,177.38 ; C1485#1881.1 158.72,99.34 ; C1485#2575.1 62.72,155.34 ; C1485#194.1 130.72,147.34 ; C1485#1681.1 233.68,129.38 ; C1485#1683.1 329.68,165.38 ; C1485#1421.1 277.68,213.38 ; C1485#1274.1 305.72,216.88 ; C1485#665.1 309.68,105.38 ; C1485#1072.1 138.72,119.34 ; C1485#495.1 142.72,75.34 ; C1485#363.1 253.68,109.38 ; C1485#1056.1 118.72,151.32 ; C1485#1014.1 22.74,91.32 ; C1485#464.1 237.68,209.4 ; C1485#1675.1 241.68,181.4 ; C1485#395.1 74.72,175.32 ; C1485#825.1 98.72,199.34 ; C1485#1564.1 142.72,91.34 ; C1485#2042.1 281.68,133.38 ; C1485#2130.1 217.68,45.38 ; C1485#139.1 78.72,35.34 ; C1485#2568.1 225.68,185.38 ; C1485#856.1 321.68,89.38 ; C1485#2342.1 197.68,177.38 ; C1485#718.1 213.68,193.4 ; C1485#2145.1 110.72,135.34 ; C1485#2097.1 217.68,173.4 ; C1485#1021.1 213.68,25.38 ; C1485#1324.1 317.68,181.38 ; C1485#1432.1 329.68,129.38 ; C1485#2506.1 317.68,109.38 ; C1485#1104.1 130.72,195.34 ; C1485#1445.1 213.68,61.38 ; C1485#129.1 309.68,177.38 ; C1485#2020.1 34.74,99.32 ; C1485#2542.1 213.69,73.38 ; C1485#1741.1 42.74,83.32 ; C1485#1422.1 150.72,139.34 ; C1485#779.1 301.68,101.38 ; C1485#1071.1 118.72,199.34 ; C1485#146.1 313.68,97.38 ; C1485#872.1 213.68,17.38 ; C1485#2091.1 217.68,117.38 ; C1485#322.1 305.68,153.38 ; C1485#602.1 110.74,83.32 ; C1485#472.1 213.68,33.38 ; C1485#1626.1 201.68,81.38 ; C1485#13.1 297.68,153.38 ; C1485#316.1 26.72,135.34 ; C1485#290.1 345.68,109.38 ; C1485#1230.1 66.72,203.34 ; C1485#2216.1 114.72,39.34 ; C1485#722.1 325.68,129.38 ; C1485#1347.1 14.72,87.34 ; C1485#499.1 70.72,179.32 ; C1485#1120.1 221.68,201.4 ; C1485#1830.1 82.72,187.34 ; C1485#95.1 154.72,71.34 ; C1485#162.1 158.72,47.34 ; C1485#1385.1 321.68,181.38 ; C1485#1084.1 70.72,35.34 ; C1485#2535.1 38.72,91.34 ; C1485#2515.1 277.68,129.38 ; C1485#1188.1 50.72,187.34 ; C1485#2603.1 201.68,185.38 ; C1485#696.1 142.72,183.34 ; C1485#1096.1 233.68,169.4 ; C1485#1316.1 134.72,191.34 ; C1485#2458.1 114.72,59.34 ; C1485#2618.1 130.72,179.34 ; C1485#2196.1 297.68,169.38 ; C1485#2188.1 249.68,25.38 ; C1485#791.1 118.72,171.34 ; C1485#2228.1 257.68,137.38 ; C1485#255.1 241.68,125.38 ; C1485#755.1 90.72,131.34 ; C1485#185.1 277.68,189.38 ; C1485#1689.1 58.74,87.32 ; C1485#2290.1 221.68,105.38 ; C1485#1799.1 289.68,153.38 ; C1485#2311.1 209.68,33.38 ; C1485#2209.1 229.68,129.38 ; C1485#1030.1 50.74,95.32 ; C1485#1268.1 341.68,121.38 ; C1485#1521.1 86.72,35.34 ; C1485#1153.1 241.68,161.4 ; C1485#2520.1 305.68,101.38 ; C1485#2080.1 154.72,47.34 ; C1485#552.1 134.72,91.34 ; C1485#1151.1 309.68,113.38 ; C1485#1400.1 74.72,163.34 ; C1485#2194.1 353.68,81.38 ; C1485#1410.1 329.68,93.38 ; C1485#987.1 321.68,213.38 ; C1485#2375.1 138.72,51.34 ; C1485#2088.1 301.68,105.38 ; C1485#1755.1 170.72,87.34 ; C1485#2236.1 217.68,85.38 ; C1485#1578.1 150.72,83.34 ; C1485#319.1 70.71,123.32 ; C1485#793.1 114.72,163.34 ; C1485#1170.1 162.72,167.34 ; C1485#833.1 297.68,197.38 ; C1485#111.1 289.68,185.38 ; C1485#2465.1 221.68,185.4 ; C1485#466.1 237.68,141.4 ; C1485#536.1 154.72,199.34 ; C1485#2103.1 94.72,163.34 ; C1485#1472.1 134.72,99.34 ; C1485#1644.1 253.68,113.38 ; C1485#559.1 146.72,107.34 ; C1485#221.1 293.72,44.88 ; C1485#1748.1 146.72,23.34 ; C1485#1439.1 249.68,137.38 ; C1485#349.1 261.68,201.38 ; C1485#83.1 201.68,161.4 ; C1485#816.1 309.68,161.38 ; C1485#1169.1 78.72,199.34 ; C1485#899.1 229.68,193.4 ; C1485#2584.1 154.72,23.34 ; C1485#524.1 297.68,201.38 ; C1485#2406.1 213.68,41.36 ; C1485#765.1 126.72,47.34 ; C1485#2400.1 245.68,197.4 ; C1485#676.1 257.68,113.38 ; C1485#1636.1 166.72,179.34 ; C1485#1714.1 341.68,153.38 ; C1485#1810.1 325.68,133.38 ; C1485#752.1 130.72,135.34 ; C1485#1271.1 349.68,73.38 ; C1485#1949.1 293.68,173.38 ; C1485#488.1 146.72,55.34 ; C1485#579.1 257.68,157.38 ; C1485#1177.1 245.68,29.36 ; C1485#199.1 297.68,193.38 ; C1485#1938.1 114.72,79.34 ; C1485#1038.1 197.68,105.38 ; C1485#360.1 42.72,147.32 ; C1485#573.1 66.74,127.34 ; C1485#2192.1 74.72,35.34 ; C1485#9.1 209.68,201.38 ; C1485#20.1 142.72,211.34 ; C1485#2529.1 261.68,209.38 ; C1485#143.1 166.72,71.34 ; C1485#2083.1 114.72,35.34 ; C1485#2341.1 201.68,193.38 ; C1485#1836.1 209.68,117.38 ; C1485#279.1 289.68,137.38 ; C1485#878.1 78.72,39.34 ; C1485#2099.1 249.68,53.36 ; C1485#1147.1 245.68,205.4 ; C1485#2491.1 134.72,139.34 ; C1485#1540.1 341.68,117.38 ; C1485#2249.1 94.72,171.34 ; C1485#1352.1 158.72,55.34 ; C1485#222.1 313.68,181.38 ; C1485#1923.1 146.72,34.84 ; C1485#2139.1 18.74,75.32 ; C1485#1394.1 114.72,63.34 ; C1485#814.1 150.72,59.34 ; C1485#2223.1 106.72,135.34 ; C1485#1070.1 241.68,73.38 ; C1485#230.1 174.72,155.34 ; C1485#321.1 118.72,191.34 ; C1485#1158.1 321.68,145.38 ; C1485#1592.1 269.68,197.38 ; C1485#803.1 106.72,115.34 ; C1485#863.1 237.68,193.4 ; C1485#782.1 62.72,191.34 ; C1485#2251.1 265.69,101.38 ; C1485#122.1 126.72,171.34 ; C1485#2582.1 50.72,211.34 ; C1485#121.1 34.74,111.32 ; C1485#1164.1 233.68,93.36 ; C1485#982.1 50.72,183.34 ; C1485#55.1 22.74,79.32 ; C1485#2427.1 285.68,173.38 ; C1485#1872.1 98.72,119.34 ; C1485#1336.1 277.68,33.38 ; C1485#1911.1 50.72,203.34 ; C1485#1599.1 221.68,97.38 ; C1485#497.1 30.74,103.32 ; C1485#2214.1 249.68,49.36 ; C1485#1768.1 170.72,111.34 ; C1485#2031.1 317.68,205.38 ; C1485#1554.1 90.72,127.34 ; C1485#942.1 130.72,91.84 